# Altium PCB TempdevAmmy0803.PcbDoc (part 3 of 4) (continued)
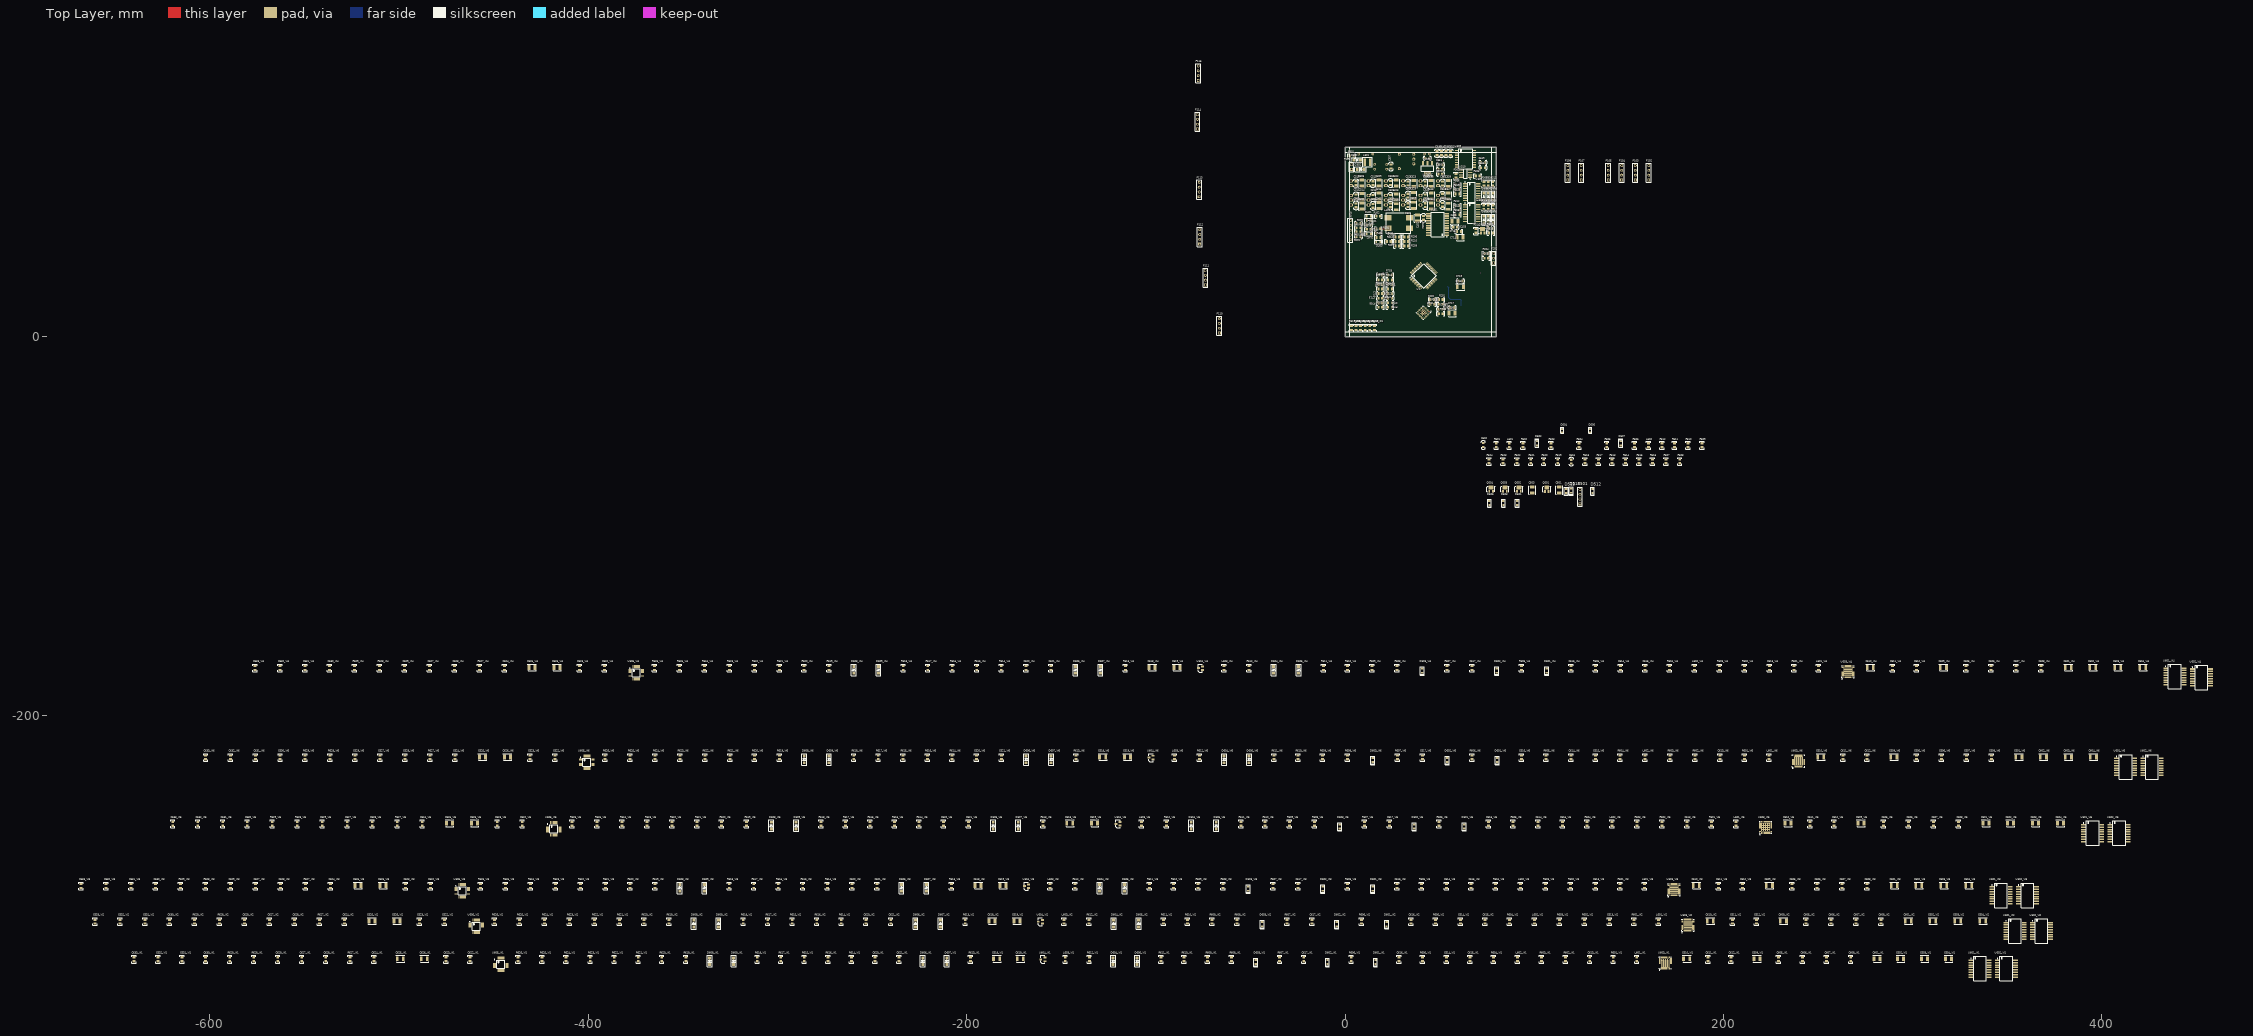
[diagram p0: Top Layer view]
## Part data (continued)
U605_VI1 U605_VI2 U605_VI3 U605_VI4 U605_VI5 U605_VI6: "HART and FOUNDATION Fieldbus / PROFIBUS PA Modem"

## Via types
v1: diameter 0.5, hole 0.2, Top Layer to Bottom Layer, 96 vias
v2: diameter 0.5, hole 0.3, Top Layer to Bottom Layer, 9 vias
v3: diameter 0.5, hole 0.25, Top Layer to Bottom Layer, 1 vias

## Nets (pads, with @x,y where several pads share a name; then routed paths per layer and width w, separated by ;. In a path a pad name is that pad's centre, name@x,y a point inside that pad or via, vN(x,y) a via of type N, cw(c..) or ccw(c..) an arc to the next point about the centre after c; other vN are vias at no path point)
3.3V: C702.1 C704.1 L701.2 Q801_SI1.3 Q801_SI2.3 Q801_SI3.3 Q801_SI4.3 Q801_SI5.3 Q801_SI6.3 Q802_SI1.3 Q802_SI2.3 Q802_SI3.3 Q802_SI4.3 Q802_SI5.3 Q802_SI6.3 Q804_SI1.3 Q804_SI2.3 Q804_SI3.3 Q804_SI4.3 Q804_SI5.3 Q804_SI6.3 R801_SI1.2 R801_SI2.2 R801_SI3.2 R801_SI4.2 R801_SI5.2 R801_SI6.2 R802_SI1.2 R802_SI2.2 R802_SI3.2 R802_SI4.2 R802_SI5.2 R802_SI6.2 U701.26
3.3VCC: C202.1 C203.1 C331.1 C333.1 C350.1 C351.1 C401.1 C403.1 C502.1 C503.1 C504.1 C601_VI1.1 C601_VI2.1 C601_VI3.1 C601_VI4.1 C601_VI5.1 C601_VI6.1 C603_VI1.1 C603_VI2.1 C603_VI3.1 C603_VI4.1 C603_VI5.1 C603_VI6.1 C605_VI1.1 C605_VI2.1 C605_VI3.1 C605_VI4.1 C605_VI5.1 C605_VI6.1 C607_VI1.1 C607_VI2.1 C607_VI3.1 C607_VI4.1 C607_VI5.1 C607_VI6.1 C714.1 C715.1 C716.1 C717.1 C718.1 C719.1 R203.2 R213.1 R304.1 R306.1 R307.1 R308.1 R309.1 R310.1 R311.1 R314.1 R507.1 R508.1 R509.1 R510.1 R511.1 R512.1 R513.1 R514.1 R515.1 R516.1 R517.1 R519.1 R521.1 R523.1 U1.19 U1.20 U306.2 U310.8 U401.2 U401.8 U601_VI1.1 U601_VI2.1 U601_VI3.1 U601_VI4.1 U601_VI5.1 U601_VI6.1 U602_VI1.1 U602_VI2.1 U602_VI3.1 U602_VI4.1 U602_VI5.1 U602_VI6.1 U702.1 U703.1 U704.1
3.3VS: C345.1 C349.2 C701.1 C703.1 L701.1 R305.2 U309.14 U701.2 U702.16 U703.16 U704.16
3.3VSON: R304.2 U1.25 U310.7
3W/4\W\(ON)_SI1: R803_SI1.2 R805_SI1.2 U703.15
3W/4\W\(ON)_SI2: R803_SI2.2 R805_SI2.2 U703.14
3W/4\W\(ON)_SI3: R803_SI3.2 R805_SI3.2 U703.13
3W/4\W\(ON)_SI4: R803_SI4.2 R805_SI4.2 U703.12
3W/4\W\(ON)_SI5: R803_SI5.2 R805_SI5.2 U703.11
3W/4\W\(ON)_SI6: R803_SI6.2 R805_SI6.2 U703.10
3W/4W+_SI1: D802_SI1.2 D803_SI1.2 P110.3 R815_SI1.1 R816_SI1.2
3W/4W+_SI2: D802_SI2.2 D803_SI2.2 P111.3 R815_SI2.1 R816_SI2.2
3W/4W+_SI3: D802_SI3.2 D803_SI3.2 P112.3 R815_SI3.1 R816_SI3.2
3W/4W+_SI4: D802_SI4.2 D803_SI4.2 P113.3 R815_SI4.1 R816_SI4.2
3W/4W+_SI5: D802_SI5.2 D803_SI5.2 P114.3 R815_SI5.1 R816_SI5.2
3W/4W+_SI6: D802_SI6.2 D803_SI6.2 P115.3 R815_SI6.1 R816_SI6.2
3W/4W-_SI1: D803_SI1.1 D804_SI1.2 P110.2 R817_SI1.2 R818_SI1.2
3W/4W-_SI2: D803_SI2.1 D804_SI2.2 P111.2 R817_SI2.2 R818_SI2.2
3W/4W-_SI3: D803_SI3.1 D804_SI3.2 P112.2 R817_SI3.2 R818_SI3.2
3W/4W-_SI4: D803_SI4.1 D804_SI4.2 P113.2 R817_SI4.2 R818_SI4.2
3W/4W-_SI5: D803_SI5.1 D804_SI5.2 P114.2 R817_SI5.2 R818_SI5.2
3W/4W-_SI6: D803_SI6.1 D804_SI6.2 P115.2 R817_SI6.2 R818_SI6.2
3W/4WON1: U1.45 U703.2
3W/4WON2: U1.44 U703.3
3W/4WON3: U1.43 U703.4
3W/4WON4: U1.42 U703.5
3W/4WON5: U1.41 U703.6
3W/4WON6: U1.40 U703.7
3W_ON_G_SI1: Q802_SI1.1 R813_SI1.1
3W_ON_G_SI2: Q802_SI2.1 R813_SI2.1
3W_ON_G_SI3: Q802_SI3.1 R813_SI3.1
3W_ON_G_SI4: Q802_SI4.1 R813_SI4.1
3W_ON_G_SI5: Q802_SI5.1 R813_SI5.1
3W_ON_G_SI6: Q802_SI6.1 R813_SI6.1
4W_ON_G_SI1: Q801_SI1.1 R812_SI1.1
4W_ON_G_SI2: Q801_SI2.1 R812_SI2.1
4W_ON_G_SI3: Q801_SI3.1 R812_SI3.1
4W_ON_G_SI4: Q801_SI4.1 R812_SI4.1
4W_ON_G_SI5: Q801_SI5.1 R812_SI5.1
4W_ON_G_SI6: Q801_SI6.1 R812_SI6.1
4W_SI1: C801_SI1.1 D801_SI1.2 P110.4 Q806_SI1.1
4W_SI2: C801_SI2.1 D801_SI2.2 P111.4 Q806_SI2.1
4W_SI3: C801_SI3.1 D801_SI3.2 P112.4 Q806_SI3.1
4W_SI4: C801_SI4.1 D801_SI4.2 P113.4 Q806_SI4.1
4W_SI5: C801_SI5.1 D801_SI5.2 P114.4 Q806_SI5.1
4W_SI6: C801_SI6.1 D801_SI6.2 P115.4 Q806_SI6.1
5VGND: C201.1 C202.2 C203.2 C308.2 C309.2 C310.1 C311.1 C316.2 C317.1 C322.2 C323.2 C324.1 C325.1 C330.2 C331.2 C332.1 C333.2 C338.2 C339.2 C340.1 C341.1 C344.2 C348.1 C350.2 C351.2 C401.2 C403.2 C502.2 C503.2 C504.2 C601_VI1.2 C601_VI2.2 C601_VI3.2 C601_VI4.2 C601_VI5.2 C601_VI6.2 C603_VI1.2 C603_VI2.2 C603_VI3.2 C603_VI4.2 C603_VI5.2 C603_VI6.2 C605_VI1.2 C605_VI2.2 C605_VI3.2 C605_VI4.2 C605_VI5.2 C605_VI6.2 C607_VI1.2 C607_VI2.2 C607_VI3.2 C607_VI4.2 C607_VI5.2 C607_VI6.2 C714.2 C715.2 C716.2 C717.2 C718.2 C719.2 D504.1 D505.1 D507.1 D513.2 L502.1 P201.1 Q301.3 Q501.3 Q502.3 Q503.3 Q504.3 R318.2 R505.2 U1.21 U301.2 U302.2 U303.7 U304.2 U305.2 U306.1 U307.2 U308.2 U309.2 U310.2 U310.5 U311.11 U311.13 U311.15 U312.11 U312.13 U312.15 U401.1 U401.3 U401.9 U401.10 U601_VI1.8 U601_VI2.8 U601_VI3.8 U601_VI4.8 U601_VI5.8 U601_VI6.8 U602_VI1.8 U602_VI2.8 U602_VI3.8 U602_VI4.8 U602_VI5.8 U602_VI6.8 U702.8 U703.8 U704.2 U704.8
5VIN: C308.1 C309.1 C310.2 C311.2 C316.1 C317.2 C322.1 C323.1 C324.2 C325.2 C330.1 C332.2 C338.1 C339.1 C340.2 C341.2 C344.1 C348.2 U301.1 U302.1 U303.5 U304.1 U305.1 U306.3 U307.1 U308.1 U309.1 U309.3
5VLDO: R609_VI1.2 R609_VI2.2 R609_VI3.2 R609_VI4.2 R609_VI5.2 R609_VI6.2 R611_VI1.2 R611_VI2.2 R611_VI3.2 R611_VI4.2 R611_VI5.2 R611_VI6.2 R612_VI1.1 R612_VI2.1 R612_VI3.1 R612_VI4.1 R612_VI5.1 R612_VI6.1 U603_VI1.3 U603_VI2.3 U603_VI3.3 U603_VI4.3 U603_VI5.3 U603_VI6.3 U604_VI1.1 U604_VI2.1 U604_VI3.1 U604_VI4.1 U604_VI5.1 U604_VI6.1
15V1: C301.1 C303.1 C609_VI1.1 C612_VI1.1 D605_VI1.2 D607_VI1.2 D609_VI1.2 R312.2 R609_VI1.1 R611_VI1.1 U301.6 U603_VI1.2
15V2: C302.1 C304.1 C609_VI2.1 C612_VI2.1 D605_VI2.2 D607_VI2.2 D609_VI2.2 R313.2 R609_VI2.1 R611_VI2.1 U302.6 U603_VI2.2
15V3: C318.1 C320.1 C609_VI3.1 C612_VI3.1 D605_VI3.2 D607_VI3.2 D609_VI3.2 R315.2 R609_VI3.1 R611_VI3.1 U304.6 U603_VI3.2
15V4: C319.1 C321.1 C609_VI4.1 C612_VI4.1 D605_VI4.2 D607_VI4.2 D609_VI4.2 R316.2 R609_VI4.1 R611_VI4.1 U305.6 U603_VI4.2
15V5: C334.1 C336.1 C609_VI5.1 C612_VI5.1 D605_VI5.2 D607_VI5.2 D609_VI5.2 R319.2 R609_VI5.1 R611_VI5.1 U307.6 U603_VI5.2
15V6: C335.1 C337.1 C609_VI6.1 C612_VI6.1 D605_VI6.2 D607_VI6.2 D609_VI6.2 R320.2 R609_VI6.1 R611_VI6.1 U308.6 U603_VI6.2
485WR/RD: U1.11 U401.5 U401.6
+VS_VI1: D602_VI1.2 D604_VI1.2 D605_VI1.1 P102.1 R608_VI1.1
+VS_VI2: D602_VI2.2 D604_VI2.2 D605_VI2.1 P103.1 R608_VI2.1
+VS_VI3: D602_VI3.2 D604_VI3.2 D605_VI3.1 P104.1 R608_VI3.1
+VS_VI4: D602_VI4.2 D604_VI4.2 D605_VI4.1 P105.1 R608_VI4.1
+VS_VI5: D602_VI5.2 D604_VI5.2 D605_VI5.1 P107.1 R608_VI5.1
+VS_VI6: D602_VI6.2 D604_VI6.2 D605_VI6.1 P108.1 R608_VI6.1
+VSENSE_VI1: R607_VI1.2 R608_VI1.2 U603_VI1.36
+VSENSE_VI2: R607_VI2.2 R608_VI2.2 U603_VI2.36
+VSENSE_VI3: R607_VI3.2 R608_VI3.2 U603_VI3.36
+VSENSE_VI4: R607_VI4.2 R608_VI4.2 U603_VI4.36
+VSENSE_VI5: R607_VI5.2 R608_VI5.2 U603_VI5.36
+VSENSE_VI6: R607_VI6.2 R608_VI6.2 U603_VI6.36
-15V1: C312.1 C314.2 C610_VI1.2 C611_VI1.1 D604_VI1.1 D606_VI1.1 D608_VI1.1 U301.4 U311.2 U603_VI1.29
-15V2: C313.1 C315.2 C610_VI2.2 C611_VI2.1 D604_VI2.1 D606_VI2.1 D608_VI2.1 U302.4 U311.4 U603_VI2.29
-15V3: C326.1 C328.2 C610_VI3.2 C611_VI3.1 D604_VI3.1 D606_VI3.1 D608_VI3.1 U304.4 U311.6 U603_VI3.29
-15V4: C327.1 C329.2 C610_VI4.2 C611_VI4.1 D604_VI4.1 D606_VI4.1 D608_VI4.1 U305.4 U312.2 U603_VI4.29
-15V5: C342.1 C346.2 C610_VI5.2 C611_VI5.1 D604_VI5.1 D606_VI5.1 D608_VI5.1 U307.4 U312.4 U603_VI5.29
-15V6: C343.1 C347.2 C610_VI6.2 C611_VI6.1 D604_VI6.1 D606_VI6.1 D608_VI6.1 U308.4 U312.6 U603_VI6.29
-VS_VI1: C301.2 C303.2 C312.2 C314.1 C609_VI1.2 C610_VI1.1 C611_VI1.2 C612_VI1.2 C614_VI1.2 C616_VI1.1 D601_VI1.1 D602_VI1.1 D603_VI1.1 D603_VI1.2 D606_VI1.2 D607_VI1.1 P102.3 P102.4 R602_VI1.1 R605_VI1.1 R610_VI1.1 R613_VI1.2 R615_VI1.2 R617_VI1.2 R619_VI1.2 R622_VI1.2 R625_VI1.2 U301.5 U603_VI1.5 U603_VI1.6 U604_VI1.3
-VS_VI2: C302.2 C304.2 C313.2 C315.1 C609_VI2.2 C610_VI2.1 C611_VI2.2 C612_VI2.2 C614_VI2.2 C616_VI2.1 D601_VI2.1 D602_VI2.1 D603_VI2.1 D603_VI2.2 D606_VI2.2 D607_VI2.1 P103.3 P103.4 R602_VI2.1 R605_VI2.1 R610_VI2.1 R613_VI2.2 R615_VI2.2 R617_VI2.2 R619_VI2.2 R622_VI2.2 R625_VI2.2 U302.5 U603_VI2.5 U603_VI2.6 U604_VI2.3
-VS_VI3: C318.2 C320.2 C326.2 C328.1 C609_VI3.2 C610_VI3.1 C611_VI3.2 C612_VI3.2 C614_VI3.2 C616_VI3.1 D601_VI3.1 D602_VI3.1 D603_VI3.1 D603_VI3.2 D606_VI3.2 D607_VI3.1 P104.3 P104.4 R602_VI3.1 R605_VI3.1 R610_VI3.1 R613_VI3.2 R615_VI3.2 R617_VI3.2 R619_VI3.2 R622_VI3.2 R625_VI3.2 U304.5 U603_VI3.5 U603_VI3.6 U604_VI3.3
-VS_VI4: C319.2 C321.2 C327.2 C329.1 C609_VI4.2 C610_VI4.1 C611_VI4.2 C612_VI4.2 C614_VI4.2 C616_VI4.1 D601_VI4.1 D602_VI4.1 D603_VI4.1 D603_VI4.2 D606_VI4.2 D607_VI4.1 P105.3 P105.4 R602_VI4.1 R605_VI4.1 R610_VI4.1 R613_VI4.2 R615_VI4.2 R617_VI4.2 R619_VI4.2 R622_VI4.2 R625_VI4.2 U305.5 U603_VI4.5 U603_VI4.6 U604_VI4.3
-VS_VI5: C334.2 C336.2 C342.2 C346.1 C609_VI5.2 C610_VI5.1 C611_VI5.2 C612_VI5.2 C614_VI5.2 C616_VI5.1 D601_VI5.1 D602_VI5.1 D603_VI5.1 D603_VI5.2 D606_VI5.2 D607_VI5.1 P107.3 P107.4 R602_VI5.1 R605_VI5.1 R610_VI5.1 R613_VI5.2 R615_VI5.2 R617_VI5.2 R619_VI5.2 R622_VI5.2 R625_VI5.2 U307.5 U603_VI5.5 U603_VI5.6 U604_VI5.3
-VS_VI6: C335.2 C337.2 C343.2 C347.1 C609_VI6.2 C610_VI6.1 C611_VI6.2 C612_VI6.2 C614_VI6.2 C616_VI6.1 D601_VI6.1 D602_VI6.1 D603_VI6.1 D603_VI6.2 D606_VI6.2 D607_VI6.1 P108.3 P108.4 R602_VI6.1 R605_VI6.1 R610_VI6.1 R613_VI6.2 R615_VI6.2 R617_VI6.2 R619_VI6.2 R622_VI6.2 R625_VI6.2 U308.5 U603_VI6.5 U603_VI6.6 U604_VI6.3
-VSENSE_VI1: R610_VI1.2 U603_VI1.34
-VSENSE_VI2: R610_VI2.2 U603_VI2.34
-VSENSE_VI3: R610_VI3.2 U603_VI3.34
-VSENSE_VI4: R610_VI4.2 U603_VI4.34
-VSENSE_VI5: R610_VI5.2 U603_VI5.34
-VSENSE_VI6: R610_VI6.2 U603_VI6.34
AD0_VI1: R622_VI1.1 R624_VI1.2 U603_VI1.26
AD0_VI2: R622_VI2.1 R624_VI2.2 U603_VI2.26
AD0_VI3: R622_VI3.1 R624_VI3.2 U603_VI3.26
AD0_VI4: R622_VI4.1 R624_VI4.2 U603_VI4.26
AD0_VI5: R622_VI5.1 R624_VI5.2 U603_VI5.26
AD0_VI6: R622_VI6.1 R624_VI6.2 U603_VI6.26
AD1_VI1: R625_VI1.1 R626_VI1.2 U603_VI1.25
AD1_VI2: R625_VI2.1 R626_VI2.2 U603_VI2.25
AD1_VI3: R625_VI3.1 R626_VI3.2 U603_VI3.25
AD1_VI4: R625_VI4.1 R626_VI4.2 U603_VI4.25
AD1_VI5: R625_VI5.1 R626_VI5.2 U603_VI5.25
AD1_VI6: R625_VI6.1 R626_VI6.2 U603_VI6.25
ADC1_VI1: U603_VI1.4
ADC1_VI2: U603_VI2.4
ADC1_VI3: U603_VI3.4
ADC1_VI4: U603_VI4.4
ADC1_VI5: U603_VI5.4
ADC1_VI6: U603_VI6.4
ADC2_VI1: U603_VI1.38
ADC2_VI2: U603_VI2.38
ADC2_VI3: U603_VI3.38
ADC2_VI4: U603_VI4.38
ADC2_VI5: U603_VI5.38
ADC2_VI6: U603_VI6.38
ADC\S\: U701.32 U704.14
ADC_C\S\: U1.34 U704.3
ADC_DIN: U1.31 U704.5 | length 16.5
  Bottom Layer w0.254: 54.102,26.67 54.864,25.908 54.864,20.574 55.626,19.812 60.833,19.812 61.341,19.304 U704.5@61.341,16.256
ADC_DOUT: R201.2 U1.30 U704.6
ADC_SCLK: R202.2 R203.1 U1.29 U704.4
ADDIN: U701.29 U704.12
ADDOUT: U701.28 U704.11
ADSCLK: U701.30 U704.13
ADSTATUS: R522.1 U1.23
AIN12: R706.2 R707.2 U701.18
AIN13: R818_SI1.1 R818_SI2.1 R818_SI3.1 R818_SI4.1 R818_SI5.1 R818_SI6.1 U701.19
AVLDO: C618_VI1.1 C618_VI2.1 C618_VI3.1 C618_VI4.1 C618_VI5.1 C618_VI6.1 C620_VI1.1 C620_VI2.1 C620_VI3.1 C620_VI4.1 C620_VI5.1 C620_VI6.1 C625_VI1.1 C625_VI2.1 C625_VI3.1 C625_VI4.1 C625_VI5.1 C625_VI6.1 C627_VI1.1 C627_VI2.1 C627_VI3.1 C627_VI4.1 C627_VI5.1 C627_VI6.1 L603_VI1.1 L603_VI2.1 L603_VI3.1 L603_VI4.1 L603_VI5.1 L603_VI6.1 U603_VI1.12 U603_VI2.12 U603_VI3.12 U603_VI4.12 U603_VI5.12 U603_VI6.12 U605_VI1.23 U605_VI2.23 U605_VI3.23 U605_VI4.23 U605_VI5.23 U605_VI6.23
AVLDOGND: C618_VI1.2 C618_VI2.2 C618_VI3.2 C618_VI4.2 C618_VI5.2 C618_VI6.2 C620_VI1.2 C620_VI2.2 C620_VI3.2 C620_VI4.2 C620_VI5.2 C620_VI6.2 C623_VI1.1 C623_VI2.1 C623_VI3.1 C623_VI4.1 C623_VI5.1 C623_VI6.1 C625_VI1.2 C625_VI2.2 C625_VI3.2 C625_VI4.2 C625_VI5.2 C625_VI6.2 C627_VI1.2 C627_VI2.2 C627_VI3.2 C627_VI4.2 C627_VI5.2 C627_VI6.2 C629_VI1.1 C629_VI2.1 C629_VI3.1 C629_VI4.1 C629_VI5.1 C629_VI6.1 C630_VI1.1 C630_VI2.1 C630_VI3.1 C630_VI4.1 C630_VI5.1 C630_VI6.1 C632_VI1.1 C632_VI2.1 C632_VI3.1 C632_VI4.1 C632_VI5.1 C632_VI6.1 C633_VI1.2 C633_VI2.2 C633_VI3.2 C633_VI4.2 C633_VI5.2 C633_VI6.2 R614_VI1.1 R614_VI2.1 R614_VI3.1 R614_VI4.1 R614_VI5.1 R614_VI6.1 R628_VI1.2 R628_VI2.2 R628_VI3.2 R628_VI4.2 R628_VI5.2 R628_VI6.2 U605_VI1.26 U605_VI2.26 U605_VI3.26 U605_VI4.26 U605_VI5.26 U605_VI6.26
AVSS: C702.2 C704.2 C705.2 C707.2 C709.1 C710.1 C711.2 C713.2 C801_SI1.2 C801_SI2.2 C801_SI3.2 C801_SI4.2 C801_SI5.2 C801_SI6.2 C802_SI1.1 C802_SI2.1 C802_SI3.1 C802_SI4.1 C802_SI5.1 C802_SI6.1 C803_SI1.2 C803_SI2.2 C803_SI3.2 C803_SI4.2 C803_SI5.2 C803_SI6.2 C805_SI1.2 C805_SI2.2 C805_SI3.2 C805_SI4.2 C805_SI5.2 C805_SI6.2 D801_SI1.1 D801_SI2.1 D801_SI3.1 D801_SI4.1 D801_SI5.1 D801_SI6.1 D802_SI1.1 D802_SI2.1 D802_SI3.1 D802_SI4.1 D802_SI5.1 D802_SI6.1 D804_SI1.1 D804_SI2.1 D804_SI3.1 D804_SI4.1 D804_SI5.1 D804_SI6.1 L702.2 Q803_SI1.3 Q803_SI2.3 Q803_SI3.3 Q803_SI4.3 Q803_SI5.3 Q803_SI6.3 R704.1 R806_SI1.2 R806_SI2.2 R806_SI3.2 R806_SI4.2 R806_SI5.2 R806_SI6.2 R809_SI1.2 R809_SI2.2 R809_SI3.2 R809_SI4.2 R809_SI5.2 R809_SI6.2 R810_SI1.2 R810_SI2.2 R810_SI3.2 R810_SI4.2 R810_SI5.2 R810_SI6.2 R811_SI1.1 R811_SI2.1 R811_SI3.1 R811_SI4.1 R811_SI5.1 R811_SI6.1 R814_SI1.1 R814_SI2.1 R814_SI3.1 R814_SI4.1 R814_SI5.1 R814_SI6.1 U701.23
BUTTON1: R513.2 U1.15
BUTTON2: R514.2 U1.14
BUTTON3: R515.2 U1.8
BUTTON4: R516.2 U1.7
BUTTON5A: R507.2 U1.6
BUTTON5B: R508.2 U1.5
BUTTON5C: R509.2 U1.4
BUTTON5D: R510.2 U1.3
BUTTON5E: R511.2 U1.2
BUTTON5F: R512.2 U1.1
CCOMP_VI1: C617_VI1.2 U603_VI1.35
CCOMP_VI2: C617_VI2.2 U603_VI2.35
CCOMP_VI3: C617_VI3.2 U603_VI3.35
CCOMP_VI4: C617_VI4.2 U603_VI4.35
CCOMP_VI5: C617_VI5.2 U603_VI5.35
CCOMP_VI6: C617_VI6.2 U603_VI6.35
CD/IRQ_VI1: U602_VI1.11 U605_VI1.7
CD/IRQ_VI2: U602_VI2.11 U605_VI2.7
CD/IRQ_VI3: U602_VI3.11 U605_VI3.7
CD/IRQ_VI4: U602_VI4.11 U605_VI4.7
CD/IRQ_VI5: U602_VI5.11 U605_VI5.7
CD/IRQ_VI6: U602_VI6.11 U605_VI6.7
CHART_VI1: C614_VI1.1 C631_VI1.1 R604_VI1.1
CHART_VI2: C614_VI2.1 C631_VI2.1 R604_VI2.1
CHART_VI3: C614_VI3.1 C631_VI3.1 R604_VI3.1
CHART_VI4: C614_VI4.1 C631_VI4.1 R604_VI4.1
CHART_VI5: C614_VI5.1 C631_VI5.1 R604_VI5.1
CHART_VI6: C614_VI6.1 C631_VI6.1 R604_VI6.1
CHN8_N: C706.2 C707.1 R703.1 U701.21
CHN8_P: C705.1 C706.1 R702.1 U701.20
CHNN1: C804_SI1.2 C805_SI1.1 R817_SI1.1 U701.5
CHNN2: C804_SI2.2 C805_SI2.1 R817_SI2.1 U701.7
CHNN3: C804_SI3.2 C805_SI3.1 R817_SI3.1 U701.9
CHNN4: C804_SI4.2 C805_SI4.1 R817_SI4.1 U701.11
CHNN5: C804_SI5.2 C805_SI5.1 R817_SI5.1 U701.15
CHNN6: C804_SI6.2 C805_SI6.1 R817_SI6.1 U701.17
CHNP1: C803_SI1.1 C804_SI1.1 R816_SI1.1 U701.4
CHNP2: C803_SI2.1 C804_SI2.1 R816_SI2.1 U701.6
CHNP3: C803_SI3.1 C804_SI3.1 R816_SI3.1 U701.8
CHNP4: C803_SI4.1 C804_SI4.1 R816_SI4.1 U701.10
CHNP5: C803_SI5.1 C804_SI5.1 R816_SI5.1 U701.14
CHNP6: C803_SI6.1 C804_SI6.1 R816_SI6.1 U701.16
CHNxO\N\1: U1.39 U702.2
CHNxO\N\2: U1.38 U702.3
CHNxO\N\3: U1.37 U702.4
CHNxO\N\4: U1.36 U702.5
CHNxO\N\5: U1.35 U702.6
CHNxO\N\6: U1.33 U702.7
CHNxO\N\_SI1: R808_SI1.2 U702.15
CHNxO\N\_SI2: R808_SI2.2 U702.14
CHNxO\N\_SI3: R808_SI3.2 U702.13
CHNxO\N\_SI4: R808_SI4.2 U702.12
CHNxO\N\_SI5: R808_SI5.2 U702.11
CHNxO\N\_SI6: R808_SI6.2 U702.10
CLKOUT_VI1: U603_VI1.21
CLKOUT_VI2: U603_VI2.21
CLKOUT_VI3: U603_VI3.21
CLKOUT_VI4: U603_VI4.21
CLKOUT_VI5: U603_VI5.21
CLKOUT_VI6: U603_VI6.21
D+: D502.1 D504.2 R204.2 R502.2 R503.1
D-: D505.2 D507.2 R205.2 R504.1 R505.1
DA_F\A\L\U\T\_VI1: D201.2 U601_VI1.7
DA_F\A\L\U\T\_VI2: D202.2 U601_VI2.7
DA_F\A\L\U\T\_VI3: D203.2 U601_VI3.7
DA_F\A\L\U\T\_VI4: D204.2 U601_VI4.7
DA_F\A\L\U\T\_VI5: D205.2 U601_VI5.7
DA_F\A\L\U\T\_VI6: D206.2 U601_VI6.7
DA_L\D\A\C\: U1.52 U601_VI1.6 U601_VI2.6 U601_VI3.6 U601_VI4.6 U601_VI5.6 U601_VI6.6
DA_R\E\S\E\T\: U1.53 U602_VI1.2 U602_VI2.2 U602_VI3.2 U602_VI4.2 U602_VI5.2 U602_VI6.2
DA_S\Y\N\C\_VI1: U1.59 U601_VI1.2
DA_S\Y\N\C\_VI2: U1.58 U601_VI2.2
DA_S\Y\N\C\_VI3: U1.57 U601_VI3.2
DA_S\Y\N\C\_VI4: U1.56 U601_VI4.2
DA_S\Y\N\C\_VI5: U1.55 U601_VI5.2
DA_S\Y\N\C\_VI6: U1.54 U601_VI6.2
DA_SCLK: R206.2 U1.50 U601_VI1.3 U601_VI2.3 U601_VI3.3 U601_VI4.3 U601_VI5.3 U601_VI6.3
DA_SDI: R207.2 U1.48 U601_VI1.4 U601_VI2.4 U601_VI3.4 U601_VI4.4 U601_VI5.4 U601_VI6.4
DA_SDO: R208.2 R212.2 U1.49 U601_VI1.5 U601_VI2.5 U601_VI3.5 U601_VI4.5 U601_VI5.5 U601_VI6.5
DAGND: U601_VI1.9 U601_VI2.9 U601_VI3.9 U601_VI4.9 U601_VI5.9 U601_VI6.9
DASTATUS: R524.1 U1.22
DUPLEX/SDI_VI1: U602_VI1.12 U605_VI1.12
DUPLEX/SDI_VI2: U602_VI2.12 U605_VI2.12
DUPLEX/SDI_VI3: U602_VI3.12 U605_VI3.12
DUPLEX/SDI_VI4: U602_VI4.12 U605_VI4.12
DUPLEX/SDI_VI5: U602_VI5.12 U605_VI5.12
DUPLEX/SDI_VI6: U602_VI6.12 U605_VI6.12
DVLDO: C602_VI1.1 C602_VI2.1 C602_VI3.1 C602_VI4.1 C602_VI5.1 C602_VI6.1 C604_VI1.1 C604_VI2.1 C604_VI3.1 C604_VI4.1 C604_VI5.1 C604_VI6.1 C606_VI1.1 C606_VI2.1 C606_VI3.1 C606_VI4.1 C606_VI5.1 C606_VI6.1 C608_VI1.1 C608_VI2.1 C608_VI3.1 C608_VI4.1 C608_VI5.1 C608_VI6.1 C619_VI1.1 C619_VI2.1 C619_VI3.1 C619_VI4.1 C619_VI5.1 C619_VI6.1 C621_VI1.1 C621_VI2.1 C621_VI3.1 C621_VI4.1 C621_VI5.1 C621_VI6.1 C626_VI1.1 C626_VI2.1 C626_VI3.1 C626_VI4.1 C626_VI5.1 C626_VI6.1 C628_VI1.1 C628_VI2.1 C628_VI3.1 C628_VI4.1 C628_VI5.1 C628_VI6.1 L603_VI1.2 L603_VI2.2 L603_VI3.2 L603_VI4.2 L603_VI5.2 L603_VI6.2 R601_VI1.1 R601_VI2.1 R601_VI3.1 R601_VI4.1 R601_VI5.1 R601_VI6.1 R616_VI1.1 R616_VI2.1 R616_VI3.1 R616_VI4.1 R616_VI5.1 R616_VI6.1 R618_VI1.1 R618_VI2.1 R618_VI3.1 R618_VI4.1 R618_VI5.1 R618_VI6.1 R620_VI1.1 R620_VI2.1 R620_VI3.1 R620_VI4.1 R620_VI5.1 R620_VI6.1 R621_VI1.1 R621_VI2.1 R621_VI3.1 R621_VI4.1 R621_VI5.1 R621_VI6.1 R624_VI1.1 R624_VI2.1 R624_VI3.1 R624_VI4.1 R624_VI5.1 R624_VI6.1 R626_VI1.1 R626_VI2.1 R626_VI3.1 R626_VI4.1 R626_VI5.1 R626_VI6.1 U601_VI1.16 U601_VI2.16 U601_VI3.16 U601_VI4.16 U601_VI5.16 U601_VI6.16 U602_VI1.16 U602_VI2.16 U602_VI3.16 U602_VI4.16 U602_VI5.16 U602_VI6.16 U603_VI1.13 U603_VI2.13 U603_VI3.13 U603_VI4.13 U603_VI5.13 U603_VI6.13 U605_VI1.2 U605_VI1.5 U605_VI1.9 U605_VI1.14 U605_VI2.2 U605_VI2.5 U605_VI2.9 U605_VI2.14 U605_VI3.2 U605_VI3.5 U605_VI3.9 U605_VI3.14 U605_VI4.2 U605_VI4.5 U605_VI4.9 U605_VI4.14 U605_VI5.2 U605_VI5.5 U605_VI5.9 U605_VI5.14 U605_VI6.2 U605_VI6.5 U605_VI6.9 U605_VI6.14
DVLDOGND_VI1: C602_VI1.2 C602_VI2.2 C602_VI3.2 C602_VI4.2 C602_VI5.2 C602_VI6.2 C604_VI1.2 C604_VI2.2 C604_VI3.2 C604_VI4.2 C604_VI5.2 C604_VI6.2 C606_VI1.2 C606_VI2.2 C606_VI3.2 C606_VI4.2 C606_VI5.2 C606_VI6.2 C608_VI1.2 C608_VI2.2 C608_VI3.2 C608_VI4.2 C608_VI5.2 C608_VI6.2 C619_VI1.2 C619_VI2.2 C619_VI3.2 C619_VI4.2 C619_VI5.2 C619_VI6.2 C621_VI1.2 C621_VI2.2 C621_VI3.2 C621_VI4.2 C621_VI5.2 C621_VI6.2 C626_VI1.2 C626_VI2.2 C626_VI3.2 C626_VI4.2 C626_VI5.2 C626_VI6.2 C628_VI1.2 C628_VI2.2 C628_VI3.2 C628_VI4.2 C628_VI5.2 C628_VI6.2 R614_VI1.2 R614_VI2.2 R614_VI3.2 R614_VI4.2 R614_VI5.2 R614_VI6.2 R623_VI1.2 R623_VI2.2 R623_VI3.2 R623_VI4.2 R623_VI5.2 R623_VI6.2 U602_VI1.9 U602_VI2.9 U602_VI3.9 U602_VI4.9 U602_VI5.9 U602_VI6.9 U603_VI1.15 U603_VI2.15 U603_VI3.15 U603_VI4.15 U603_VI5.15 U603_VI6.15 U605_VI1.4 U605_VI1.15 U605_VI1.29 U605_VI2.4 U605_VI2.15 U605_VI2.29 U605_VI3.4 U605_VI3.15 U605_VI3.29 U605_VI4.4 U605_VI4.15 U605_VI4.29 U605_VI5.4 U605_VI5.15 U605_VI5.29 U605_VI6.4 U605_VI6.15 U605_VI6.29
F\A\L\U\T\_VI1: R601_VI1.2 U601_VI1.10 U603_VI1.27
F\A\L\U\T\_VI2: R601_VI2.2 U601_VI2.10 U603_VI2.27
F\A\L\U\T\_VI3: R601_VI3.2 U601_VI3.10 U603_VI3.27
F\A\L\U\T\_VI4: R601_VI4.2 U601_VI4.10 U603_VI4.27
F\A\L\U\T\_VI5: R601_VI5.2 U601_VI5.10 U603_VI5.27
F\A\L\U\T\_VI6: R601_VI6.2 U601_VI6.10 U603_VI6.27
F\A\U\L\T\: D201.1 D202.1 D203.1 D204.1 D205.1 D206.1 R213.2 U1.46
GPIO_0_VI1: R613_VI1.1 R616_VI1.2 U603_VI1.17
GPIO_0_VI2: R613_VI2.1 R616_VI2.2 U603_VI2.17
GPIO_0_VI3: R613_VI3.1 R616_VI3.2 U603_VI3.17
GPIO_0_VI4: R613_VI4.1 R616_VI4.2 U603_VI4.17
GPIO_0_VI5: R613_VI5.1 R616_VI5.2 U603_VI5.17
GPIO_0_VI6: R613_VI6.1 R616_VI6.2 U603_VI6.17
GPIO_1_VI1: R617_VI1.1 R618_VI1.2 U603_VI1.18
GPIO_1_VI2: R617_VI2.1 R618_VI2.2 U603_VI2.18
GPIO_1_VI3: R617_VI3.1 R618_VI3.2 U603_VI3.18
GPIO_1_VI4: R617_VI4.1 R618_VI4.2 U603_VI4.18
GPIO_1_VI5: R617_VI5.1 R618_VI5.2 U603_VI5.18
GPIO_1_VI6: R617_VI6.1 R618_VI6.2 U603_VI6.18
GPIO_2_VI1: R619_VI1.1 R620_VI1.2 U603_VI1.19
GPIO_2_VI2: R619_VI2.1 R620_VI2.2 U603_VI2.19
GPIO_2_VI3: R619_VI3.1 R620_VI3.2 U603_VI3.19
GPIO_2_VI4: R619_VI4.1 R620_VI4.2 U603_VI4.19
GPIO_2_VI5: R619_VI5.1 R620_VI5.2 U603_VI5.19
GPIO_2_VI6: R619_VI6.1 R620_VI6.2 U603_VI6.19